# Altium PCB Shuttler_AMC.PcbDoc (part 1 of 12) (continued)
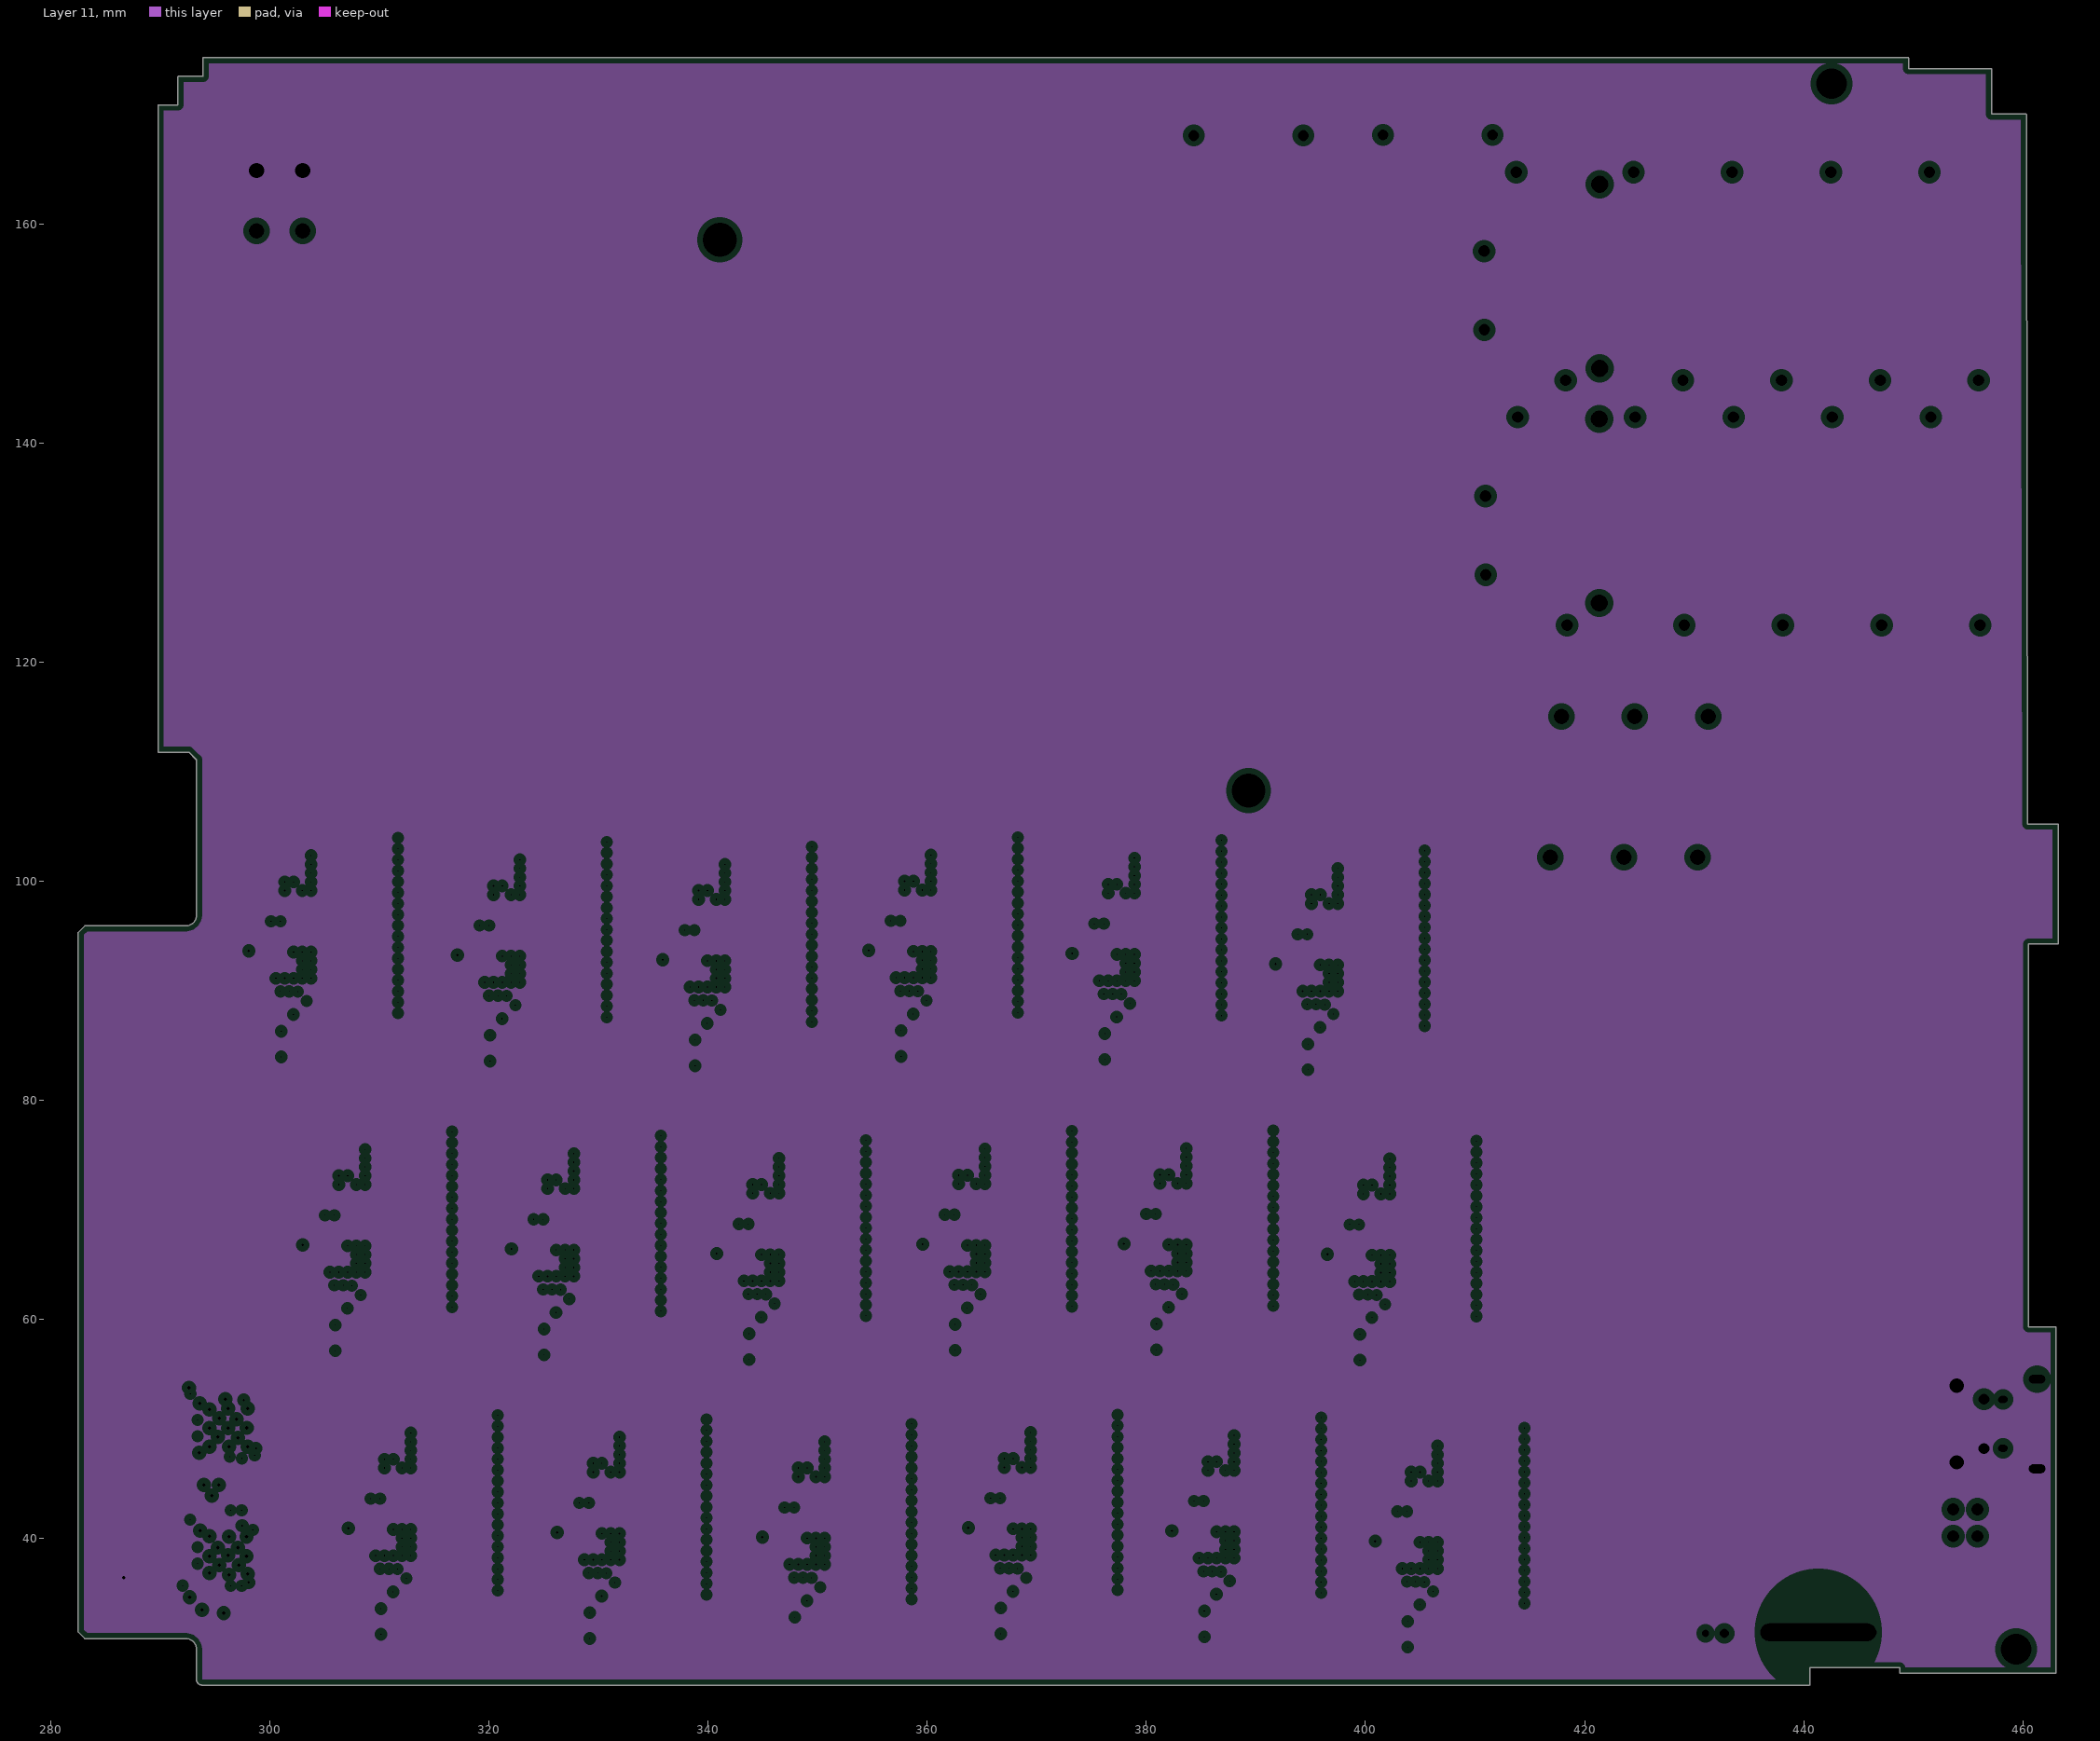
[diagram p7: Layer 11, clearances drawn from the general rule]

## Layer stack, top to bottom
Top Solder: solder mask 0.01, Soder_Mask, Dk 4.4
Layer 1: signal copper 0.04
Dielectric 1: core 0.13, Core/Pre-preg, Dk 3.7
Layer 2: plane copper 0.018
Dielectric2: core 0.1, Core/Pre-preg, Dk 3.7
Layer 3: signal copper 0.018
Dielectric3: core 0.13, Core/Pre-preg, Dk 3.7
Layer 4: plane copper 0.018
Dielectric4: core 0.1, Core/Pre-preg, Dk 3.7
Layer 5: signal copper 0.018
Dielectric5: core 0.13, Core/Pre-preg, Dk 3.7
Layer 6: plane copper 0.018
Dielectric6: core 0.1, Core/Pre-preg, Dk 3.7
Layer 7: plane copper 0.018
Dielectric7: core 0.13, Core/Pre-preg, Dk 3.7
Layer 8: signal copper 0.018
Dielectric8: core 0.1, Core/Pre-preg, Dk 3.7
Layer 9: plane copper 0.018
Dielectric9: dielectric 0.32, FR-4, Dk 4.8
Layer 10: signal copper 0.018
Dielectric10: dielectric 0.32, FR-4, Dk 4.8
Layer 11: plane copper 0.018
Dielectric11: dielectric 0.32, FR-4, Dk 4.8
Layer 12: signal copper 0.04
Bottom Solder: solder mask 0.0102, Solder Resist, Dk 3.5

## Board outline
282.51,31.508 282.51,95.308 282.518,95.326 283.118,95.926 283.135,95.933 292.335,95.933 292.336,95.933 ccw(c292.335,96.908) 293.31,96.908 293.31,99.658 293.31,111.098 292.625,111.783 289.835,111.783 289.81,111.808 289.81,170.847 289.835,170.872 291.62,170.872 291.62,173.447 291.645,173.472 293.909,173.472 293.91,173.473 293.91,175.158 293.935,175.183 449.535,175.183 449.56,175.158 449.56,174.183 457.113,174.184 457.138,174.159 457.131,170.03 460.3,170.027 460.325,170.002 460.325,166.502 460.425,105.227 463.2,105.227 463.225,105.202 463.225,94.302 463.2,94.277 460.525,94.277 460.525,59.327 463,59.327 463.025,59.302 463.025,27.752 463,27.727 448.775,27.733 448.75,27.758 448.75,28.233 440.56,28.233 440.56,26.658 440.535,26.633 293.835,26.633 cw(c293.835,27.158) 293.31,27.158 293.31,29.908 293.31,29.909 ccw(c292.335,29.908) 292.335,30.883 283.135,30.883 283.118,30.891 282.518,31.491

## Design rules (kind name [scope] priority, off if disabled: settings)
Clearance [All] p1: gap=0.254 ignorepadtopadclearanceinfootprint=FALSE except(0: Arc-Hole Track-Hole SMDPad-Hole THPad-Hole Via-Hole Fill-Hole Poly-Hole Region-Hole Text-Hole)
DiffPairsRouting [All] p1: maxlimit=0.254 minlimit=0.254 mostfreqgap=0.254 toplayer_minwidth=0.381 toplayer_maxwidth=0.381 toplayer_prefwidth=0.381 midlayer1_minwidth=0.381 midlayer1_maxwidth=0.381 midlayer1_prefwidth=0.381 midlayer2_minwidth=0.381 midlayer2_maxwidth=0.381 midlayer2_prefwidth=0.381 midlayer3_minwidth=0.381 midlayer3_maxwidth=0.381 midlayer3_prefwidth=0.381 midlayer4_minwidth=0.381 midlayer4_maxwidth=0.381 midlayer4_prefwidth=0.381 bottomlayer_minwidth=0.381 bottomlayer_maxwidth=0.381 bottomlayer_prefwidth=0.381 maxuncoupledlength=12.7
PlaneClearance [All] p1: clearance=0.508
PlaneConnect [All] p1: planeconnectstyle=Relief reliefexpansion=0.508 reliefentries=4 reliefconductorwidth=0.254 reliefairgap=0.254
PolygonConnect [All] p1: connectstyle=Relief reliefconductorwidth=0.254 reliefentries=4 polygonreliefangle="90 Angle" airgapwidth=0.254
RoomDefinition USB_SERIAL_QUAD [InComponentClass('USB_SERIAL_QUAD')] p1: confinementstyle=ConfineIn formatcopy=TRUE lockcomponents=FALSE outline 464.312,437.134 528.701,437.134 528.701,449.453 464.312,449.453
RoomDefinition U_DAC_LTC200018 [InComponentClass('U_DAC_LTC200018')] p2: confinementstyle=ConfineIn formatcopy=TRUE lockcomponents=FALSE outline 1264.285,1261.237 1297.178,1261.237 1297.178,1278.763 1264.285,1278.763
RoomDefinition U_DAC_LTC200017 [InComponentClass('U_DAC_LTC200017')] p3: confinementstyle=ConfineIn formatcopy=TRUE lockcomponents=FALSE outline 1264.285,1261.237 1297.178,1261.237 1297.178,1278.763 1264.285,1278.763
RoomDefinition U_DAC_LTC200016 [InComponentClass('U_DAC_LTC200016')] p4: confinementstyle=ConfineIn formatcopy=TRUE lockcomponents=FALSE outline 1264.285,1261.237 1297.178,1261.237 1297.178,1278.763 1264.285,1278.763
RoomDefinition U_DAC_LTC200015 [InComponentClass('U_DAC_LTC200015')] p5: confinementstyle=ConfineIn formatcopy=TRUE lockcomponents=FALSE outline 1264.285,1261.237 1297.178,1261.237 1297.178,1278.763 1264.285,1278.763
RoomDefinition U_DAC_LTC200014 [InComponentClass('U_DAC_LTC200014')] p6: confinementstyle=ConfineIn formatcopy=TRUE lockcomponents=FALSE outline 1264.285,1261.237 1297.178,1261.237 1297.178,1278.763 1264.285,1278.763
RoomDefinition U_DAC_LTC200013 [InComponentClass('U_DAC_LTC200013')] p7: confinementstyle=ConfineIn formatcopy=TRUE lockcomponents=FALSE outline 1264.285,1261.237 1297.178,1261.237 1297.178,1278.763 1264.285,1278.763
RoomDefinition U_DAC_LTC200012 [InComponentClass('U_DAC_LTC200012')] p8: confinementstyle=ConfineIn formatcopy=TRUE lockcomponents=FALSE outline 1264.285,1261.237 1297.178,1261.237 1297.178,1278.763 1264.285,1278.763
RoomDefinition U_DAC_LTC200011 [InComponentClass('U_DAC_LTC200011')] p9: confinementstyle=ConfineIn formatcopy=TRUE lockcomponents=FALSE outline 1264.285,1261.237 1296.67,1261.237 1296.67,1278.763 1264.285,1278.763
RoomDefinition U_DAC_LTC200010 [InComponentClass('U_DAC_LTC200010')] p10: confinementstyle=ConfineIn formatcopy=TRUE lockcomponents=FALSE outline 1264.285,1261.237 1297.178,1261.237 1297.178,1278.763 1264.285,1278.763
RoomDefinition U_DAC_LTC20009 [InComponentClass('U_DAC_LTC20009')] p11: confinementstyle=ConfineIn formatcopy=TRUE lockcomponents=FALSE outline 1264.285,1261.237 1295.908,1261.237 1295.908,1278.763 1264.285,1278.763
RoomDefinition U_DAC_LTC20008 [InComponentClass('U_DAC_LTC20008')] p12: confinementstyle=ConfineIn formatcopy=TRUE lockcomponents=FALSE outline 1264.285,1261.237 1295.908,1261.237 1295.908,1278.763 1264.285,1278.763
RoomDefinition U_DAC_LTC20007 [InComponentClass('U_DAC_LTC20007')] p13: confinementstyle=ConfineIn formatcopy=TRUE lockcomponents=FALSE outline 1264.285,1261.237 1295.908,1261.237 1295.908,1278.763 1264.285,1278.763
RoomDefinition U_DAC_LTC20006 [InComponentClass('U_DAC_LTC20006')] p14: confinementstyle=ConfineIn formatcopy=TRUE lockcomponents=FALSE outline 464.312,474.599 520.319,474.599 520.319,488.823 464.312,488.823
RoomDefinition U_DAC_LTC20005 [InComponentClass('U_DAC_LTC20005')] p15: confinementstyle=ConfineIn formatcopy=TRUE lockcomponents=FALSE outline 1264.285,1261.237 1295.908,1261.237 1295.908,1278.763 1264.285,1278.763
RoomDefinition U_DAC_LTC20004 [InComponentClass('U_DAC_LTC20004')] p16: confinementstyle=ConfineIn formatcopy=TRUE lockcomponents=FALSE outline 1264.285,1261.237 1295.908,1261.237 1295.908,1278.763 1264.285,1278.763
RoomDefinition U_DAC_LTC20003 [InComponentClass('U_DAC_LTC20003')] p17: confinementstyle=ConfineIn formatcopy=TRUE lockcomponents=FALSE outline 1264.285,1261.237 1295.908,1261.237 1295.908,1278.763 1264.285,1278.763
RoomDefinition U_DAC_LTC20002 [InComponentClass('U_DAC_LTC20002')] p18: confinementstyle=ConfineIn formatcopy=TRUE lockcomponents=FALSE outline 1264.285,1261.237 1295.908,1261.237 1295.908,1278.763 1264.285,1278.763
RoomDefinition U_DAC_LTC20001 [InComponentClass('U_DAC_LTC20001')] p19: confinementstyle=ConfineIn formatcopy=TRUE lockcomponents=FALSE outline 1264.285,1261.237 1295.4,1261.237 1295.4,1278.763 1264.285,1278.763
RoomDefinition Thermometers [InComponentClass('Thermometers')] p20: confinementstyle=ConfineIn formatcopy=TRUE lockcomponents=FALSE outline 464.312,425.196 504.571,425.196 504.571,435.991 464.312,435.991
RoomDefinition Shuttler_AMC [InComponentClass('Shuttler_AMC')] p21: confinementstyle=ConfineIn formatcopy=TRUE lockcomponents=FALSE outline 464.312,356.87 505.079,356.87 505.079,423.926 464.312,423.926
RoomDefinition QSFP2 [InComponentClass('QSFP2')] p22: confinementstyle=ConfineIn formatcopy=TRUE lockcomponents=FALSE outline 464.312,450.723 540.385,450.723 540.385,473.329 464.312,473.329
RoomDefinition QSFP1 [InComponentClass('QSFP1')] p23: confinementstyle=ConfineIn formatcopy=TRUE lockcomponents=FALSE outline 1260.221,1260.094 1283.208,1260.094 1283.208,1279.906 1260.221,1279.906
RoomDefinition PWR_P3V0_N3V0 [InComponentClass('PWR_P3V0_N3V0')] p24: confinementstyle=ConfineIn formatcopy=TRUE lockcomponents=FALSE outline 464.439,326.517 509.778,326.517 509.778,335.407 464.439,335.407
RoomDefinition PWR_DC_DC_EXAR [InComponentClass('PWR_DC_DC_EXAR')] p25: confinementstyle=ConfineIn formatcopy=TRUE lockcomponents=FALSE outline 464.439,313.944 604.901,313.944 604.901,325.374 464.439,325.374
RoomDefinition PWR_Buck_P2V5_8A [InComponentClass('PWR_Buck_P2V5_8A')] p26: confinementstyle=ConfineIn formatcopy=TRUE lockcomponents=FALSE outline 464.312,301.244 480.949,301.244 480.949,312.674 464.312,312.674
RoomDefinition PWR_Buck_4V_20A [InComponentClass('PWR_Buck_4V_20A')] p27: confinementstyle=ConfineIn formatcopy=TRUE lockcomponents=FALSE outline 464.312,290.068 480.695,290.068 480.695,299.974 464.312,299.974
RoomDefinition PWR_0V9_20A [InComponentClass('PWR_0V9_20A')] p28: confinementstyle=ConfineIn formatcopy=TRUE lockcomponents=FALSE outline 464.312,272.288 486.791,272.288 486.791,288.798 464.312,288.798
RoomDefinition POWER_Management [InComponentClass('POWER_Management')] p29: confinementstyle=ConfineIn formatcopy=TRUE lockcomponents=FALSE outline 464.312,256.794 496.57,256.794 496.57,271.145 464.312,271.145
RoomDefinition M-LVDS_PHY [InComponentClass('M-LVDS_PHY')] p30: confinementstyle=ConfineIn formatcopy=TRUE lockcomponents=FALSE outline 464.439,244.221 502.031,244.221 502.031,255.524 464.439,255.524
RoomDefinition JTAG_Configuration [InComponentClass('JTAG_Configuration')] p31: confinementstyle=ConfineIn formatcopy=TRUE lockcomponents=FALSE outline 464.312,223.012 496.316,223.012 496.316,243.078 464.312,243.078
RoomDefinition I2C_MUX [InComponentClass('I2C_MUX')] p32: confinementstyle=ConfineIn formatcopy=TRUE lockcomponents=FALSE outline 464.439,213.36 477.901,213.36 477.901,221.742 464.439,221.742
RoomDefinition FPGA_Power [InComponentClass('FPGA_Power')] p33: confinementstyle=ConfineIn formatcopy=TRUE lockcomponents=FALSE outline 464.312,207.391 469.011,207.391 469.011,212.217 464.312,212.217
RoomDefinition FPGA_Decoupling [InComponentClass('FPGA_Decoupling')] p34: confinementstyle=ConfineIn formatcopy=TRUE lockcomponents=FALSE outline 0,0 50.8,0 50.8,25.4 0,25.4
RoomDefinition FPGA_Banks_64_65_HR [InComponentClass('FPGA_Banks_64_65_HR')] p35: confinementstyle=ConfineIn formatcopy=TRUE lockcomponents=FALSE outline 0,0 50.8,0 50.8,25.4 0,25.4
RoomDefinition ETH_PHY_RMII [InComponentClass('ETH_PHY_RMII')] p36: confinementstyle=ConfineIn formatcopy=TRUE lockcomponents=FALSE outline 464.439,106.299 517.779,106.299 517.779,126.365 464.439,126.365
RoomDefinition DACs [InComponentClass('DACs')] p37: confinementstyle=ConfineIn formatcopy=TRUE lockcomponents=FALSE outline 464.312,96.012 528.066,96.012 528.066,105.029 464.312,105.029
RoomDefinition DAC_supply [InComponentClass('DAC_supply')] p38: confinementstyle=ConfineIn formatcopy=TRUE lockcomponents=FALSE outline 464.439,85.344 520.319,85.344 520.319,94.742 464.439,94.742
RoomDefinition CPU_LPC1776 [InComponentClass('CPU_LPC1776')] p39: confinementstyle=ConfineIn formatcopy=TRUE lockcomponents=FALSE outline 464.312,66.929 505.714,66.929 505.714,84.074 464.312,84.074
RoomDefinition Clock_Distribution_PLL [InComponentClass('Clock_Distribution_PLL')] p40: confinementstyle=ConfineIn formatcopy=TRUE lockcomponents=FALSE outline 464.312,47.625 548.64,47.625 548.64,65.786 464.312,65.786
RoomDefinition clk_supply [InComponentClass('clk_supply')] p41: confinementstyle=ConfineIn formatcopy=TRUE lockcomponents=FALSE outline 464.312,39.878 520.065,39.878 520.065,46.482 464.312,46.482
RoomDefinition Clk_recovery [InComponentClass('Clk_recovery')] p42: confinementstyle=ConfineIn formatcopy=TRUE lockcomponents=FALSE outline 464.312,28.194 574.421,28.194 574.421,38.608 464.312,38.608
RoomDefinition Amplifier18 [InComponentClass('Amplifier18')] p43: confinementstyle=ConfineIn formatcopy=TRUE lockcomponents=FALSE outline 1267.079,1267.587 1291.59,1267.587 1291.59,1274.826 1267.079,1274.826
RoomDefinition Amplifier17 [InComponentClass('Amplifier17')] p44: confinementstyle=ConfineIn formatcopy=TRUE lockcomponents=FALSE outline 1267.079,1267.587 1291.59,1267.587 1291.59,1274.826 1267.079,1274.826
RoomDefinition Amplifier16 [InComponentClass('Amplifier16')] p45: confinementstyle=ConfineIn formatcopy=TRUE lockcomponents=FALSE outline 1267.079,1267.587 1291.59,1267.587 1291.59,1274.826 1267.079,1274.826
RoomDefinition Amplifier15 [InComponentClass('Amplifier15')] p46: confinementstyle=ConfineIn formatcopy=TRUE lockcomponents=FALSE outline 1267.079,1267.587 1291.59,1267.587 1291.59,1274.826 1267.079,1274.826
RoomDefinition Amplifier14 [InComponentClass('Amplifier14')] p47: confinementstyle=ConfineIn formatcopy=TRUE lockcomponents=FALSE outline 464.312,489.966 533.273,489.966 533.273,498.348 464.312,498.348
RoomDefinition Amplifier13 [InComponentClass('Amplifier13')] p48: confinementstyle=ConfineIn formatcopy=TRUE lockcomponents=FALSE outline 1267.079,1267.587 1291.59,1267.587 1291.59,1274.826 1267.079,1274.826
RoomDefinition Amplifier12 [InComponentClass('Amplifier12')] p49: confinementstyle=ConfineIn formatcopy=TRUE lockcomponents=FALSE outline 1267.079,1267.587 1291.59,1267.587 1291.59,1274.826 1267.079,1274.826
RoomDefinition Amplifier11 [InComponentClass('Amplifier11')] p50: confinementstyle=ConfineIn formatcopy=TRUE lockcomponents=FALSE outline 1267.079,1267.587 1291.082,1267.587 1291.082,1274.826 1267.079,1274.826
RoomDefinition Amplifier10 [InComponentClass('Amplifier10')] p51: confinementstyle=ConfineIn formatcopy=TRUE lockcomponents=FALSE outline 1267.079,1267.587 1291.59,1267.587 1291.59,1274.826 1267.079,1274.826
RoomDefinition Amplifier9 [InComponentClass('Amplifier9')] p52: confinementstyle=ConfineIn formatcopy=TRUE lockcomponents=FALSE outline 1267.079,1267.587 1290.32,1267.587 1290.32,1274.826 1267.079,1274.826
RoomDefinition Amplifier8 [InComponentClass('Amplifier8')] p53: confinementstyle=ConfineIn formatcopy=TRUE lockcomponents=FALSE outline 1267.079,1267.587 1290.32,1267.587 1290.32,1274.826 1267.079,1274.826
RoomDefinition Amplifier7 [InComponentClass('Amplifier7')] p54: confinementstyle=ConfineIn formatcopy=TRUE lockcomponents=FALSE outline 1267.079,1267.587 1290.32,1267.587 1290.32,1274.826 1267.079,1274.826
RoomDefinition Amplifier6 [InComponentClass('Amplifier6')] p55: confinementstyle=ConfineIn formatcopy=TRUE lockcomponents=FALSE outline 1267.079,1267.587 1290.32,1267.587 1290.32,1274.826 1267.079,1274.826
RoomDefinition Amplifier5 [InComponentClass('Amplifier5')] p56: confinementstyle=ConfineIn formatcopy=TRUE lockcomponents=FALSE outline 1267.079,1267.587 1290.32,1267.587 1290.32,1274.826 1267.079,1274.826
RoomDefinition Amplifier4 [InComponentClass('Amplifier4')] p57: confinementstyle=ConfineIn formatcopy=TRUE lockcomponents=FALSE outline 1267.079,1267.587 1290.32,1267.587 1290.32,1274.826 1267.079,1274.826
RoomDefinition Amplifier3 [InComponentClass('Amplifier3')] p58: confinementstyle=ConfineIn formatcopy=TRUE lockcomponents=FALSE outline 1267.079,1267.587 1290.32,1267.587 1290.32,1274.826 1267.079,1274.826
RoomDefinition Amplifier2 [InComponentClass('Amplifier2')] p59: confinementstyle=ConfineIn formatcopy=TRUE lockcomponents=FALSE outline 1267.079,1267.587 1290.32,1267.587 1290.32,1274.826 1267.079,1274.826
RoomDefinition Amplifier1 [InComponentClass('Amplifier1')] p60: confinementstyle=ConfineIn formatcopy=TRUE lockcomponents=FALSE outline 1267.079,1267.587 1289.812,1267.587 1289.812,1274.826 1267.079,1274.826
RoomDefinition AMC_Connector [InComponentClass('AMC_Connector')] p61: confinementstyle=ConfineIn formatcopy=TRUE lockcomponents=FALSE outline 0,0 50.8,0 50.8,25.4 0,25.4
RoomDefinition FPGA_Banks_GTH [InComponentClass('FPGA_Banks_GTH')] p62: confinementstyle=ConfineOut formatcopy=TRUE lockcomponents=FALSE outline 420.649,73.213 ccw(c420.599,73.213) 420.549,73.213 420.549,72.403 ccw(c420.599,72.403) 420.649,72.403
RoomDefinition FPGA_Bank_0_CFG [InComponentClass('FPGA_Bank_0_CFG')] p63: confinementstyle=ConfineOut formatcopy=TRUE lockcomponents=FALSE outline 421.759,72.353 ccw(c421.759,72.403) 421.759,72.453 420.599,72.453 ccw(c420.599,72.403) 420.599,72.353
RoomDefinition FPGA_Banks_44_45_46_DDR64 [InComponentClass('FPGA_Banks_44_45_46_DDR64')] p64: confinementstyle=ConfineOut formatcopy=TRUE lockcomponents=FALSE outline 427.319,72.213 ccw(c427.319,72.263) 427.319,72.313 421.759,72.313 ccw(c421.759,72.263) 421.759,72.213
RoomDefinition SDRAM_DDR3_4x16 [InComponentClass('SDRAM_DDR3_4x16')] p65: confinementstyle=ConfineOut formatcopy=TRUE lockcomponents=FALSE outline 421.749,80.537 ccw(c421.749,80.587) 421.749,80.637 420.589,80.637 ccw(c420.589,80.587) 420.589,80.537
RoutingVias [All] p1: holewidth=0.711 width=1.27 viastyle="Through Hole" minholewidth=0.711 minwidth=1.27 maxholewidth=0.711 maxwidth=1.27
SolderMaskExpansion [All] p1: expansion=0.102
Width [All] p1: maxlimit=1 minlimit=0.254 preferedwidth=0.254 toplayer_minwidth=0 midlayer1_maxwidth=0.254 midlayer2_maxwidth=0.254 midlayer3_maxwidth=0.254 midlayer4_maxwidth=0.254 bottomlayer_maxwidth=0.254 minimp=50.000000 maximp=50.000000 favimp=50.000000
27 further rules are at their usual default settings.

## Classes and differential pairs
differential pair class V_analog: AOUT0 AOUT1 AOUT2 AOUT3 AOUT4 AOUT5 AOUT6 AOUT7 AOUT8 AOUT9 AOUT10 AOUT11 AOUT12 AOUT13 AOUT14 AOUT15 AOUT16 AOUT17
differential pair class LVPECL: CDR_CLK_CLEAN1.CLK CDR_CLK_CLEAN2.CLK CDR_CLK_CLEAN3 CLEAN1 CLEAN2 CLEAN3 CLK_200MHz CLK_IN_FPGA CLK_RFU DACs_0 DACs_1 OUT
differential pair class LVDS: DAC_CLK_IN.CLK0 DAC_CLK_IN.CLK1 DAC_CLK_IN.CLK2 DAC_CLK_IN.CLK3 DAC_CLK_IN.CLK4 DAC_CLK_IN.CLK5 DAC_CLK_IN.CLK6 DAC_CLK_IN.CLK7 DAC_CLK_IN.CLK8 DAC_CLK_IN.CLK9 DAC_CLK_IN.CLK10 DAC_CLK_IN.CLK11 DAC_CLK_IN.CLK12 DAC_CLK_IN.CLK13 DAC_CLK_IN.CLK14 DAC_CLK_IN.CLK15 DAC_CLK_IN.CLK16 DAC_CLK_IN.CLK17
differential pair class I_analog: IOUT_U_DAC_LTC20001 IOUT_U_DAC_LTC20002 IOUT_U_DAC_LTC20003 IOUT_U_DAC_LTC20004 IOUT_U_DAC_LTC20005 IOUT_U_DAC_LTC20006 IOUT_U_DAC_LTC20007 IOUT_U_DAC_LTC20008 IOUT_U_DAC_LTC20009 IOUT_U_DAC_LTC200010 IOUT_U_DAC_LTC200011 IOUT_U_DAC_LTC200012 IOUT_U_DAC_LTC200013 IOUT_U_DAC_LTC200014 IOUT_U_DAC_LTC200015 IOUT_U_DAC_LTC200016 IOUT_U_DAC_LTC200017 IOUT_U_DAC_LTC200018
differential pair class Diff_100Ohm: ALT_PORT0.Rx0 ALT_PORT0.Tx0 AMC_FABRIC_CLOCK.FCLKA AMC_P2P.Rx12 AMC_P2P.Rx13 AMC_P2P.Rx14 AMC_P2P.Rx15 AMC_P2P.Tx12 AMC_P2P.Tx13 AMC_P2P.Tx14 AMC_P2P.Tx15 AMC_TELECOM_CLOCK.TCLKA AMC_TELECOM_CLOCK.TCLKB AMC_TELECOM_CLOCK.TCLKC AMC_TELECOM_CLOCK.TCLKD AUX_CLOCK_2 AUX_CLOCK_C2 CK_U_DAC_LTC20001 CK_U_DAC_LTC20002 CK_U_DAC_LTC20003 CK_U_DAC_LTC20004 CK_U_DAC_LTC20005 CK_U_DAC_LTC20006 CK_U_DAC_LTC20007 CK_U_DAC_LTC20008 CK_U_DAC_LTC20009 CK_U_DAC_LTC200010 CK_U_DAC_LTC200011 CK_U_DAC_LTC200012 CK_U_DAC_LTC200013 CK_U_DAC_LTC200014 CK_U_DAC_LTC200015 CK_U_DAC_LTC200016 CK_U_DAC_LTC200017 CK_U_DAC_LTC200018 CKOUT1 CKOUT1_B DAC_CLK_IN.CLK0 DAC_CLK_IN.CLK1 DAC_CLK_IN.CLK2 DAC_CLK_IN.CLK3 DAC_CLK_IN.CLK4 DAC_CLK_IN.CLK5 DAC_CLK_IN.CLK6 DAC_CLK_IN.CLK7 DAC_CLK_IN.CLK8 DAC_CLK_IN.CLK9 DAC_CLK_IN.CLK10 DAC_CLK_IN.CLK11 DAC_CLK_IN.CLK12 DAC_CLK_IN.CLK13 DAC_CLK_IN.CLK14 DAC_CLK_IN.CLK15 DAC_CLK_IN.CLK16 DAC_CLK_IN.CLK17 EXT_REF_IN FAT_PIPE1.Rx4 FAT_PIPE1.Rx5 FAT_PIPE1.Rx6 FAT_PIPE1.Rx7 FAT_PIPE1.Tx4 FAT_PIPE1.Tx5 FAT_PIPE1.Tx6 FAT_PIPE1.Tx7 FCLKAC GTP0RXC GTP1RXC GTP2RXC Helper_DCXO Main_DCXO PORT0.Rx0 PORT0.Tx0 QSFP0.RX0 QSFP0.RX1 QSFP0.RX2 QSFP0.RX3 QSFP0.TX0 QSFP0.TX1 QSFP0.TX2 QSFP0.TX3 QSFP1.RX0 QSFP1.RX1 QSFP1.RX2 QSFP1.RX3 QSFP1.TX0 QSFP1.TX1 QSFP1.TX2 QSFP1.TX3 REC_CLOCK REFCLK227_C RF RFC RX0C Rx1 Rx2 Rx3 Rx8 Rx9 Rx10 Rx11 TCLKA TCLKB TX0 TX0C Tx1 Tx2 Tx3 Tx8 Tx9 Tx10 Tx11
differential pair class Diff_90Ohm: USB_D_R
channel class QSFP: QSFP1 QSFP2
channel class DAC_LTC2000: U_DAC_LTC20001 U_DAC_LTC20002 U_DAC_LTC20003 U_DAC_LTC20004 U_DAC_LTC20005 U_DAC_LTC20006 U_DAC_LTC20007 U_DAC_LTC20008 U_DAC_LTC20009 U_DAC_LTC200010 U_DAC_LTC200011 U_DAC_LTC200012 U_DAC_LTC200013 U_DAC_LTC200014 U_DAC_LTC200015 U_DAC_LTC200016 U_DAC_LTC200017 U_DAC_LTC200018
channel class Amplifier: Amplifier1 Amplifier2 Amplifier3 Amplifier4 Amplifier5 Amplifier6 Amplifier7 Amplifier8 Amplifier9 Amplifier10 Amplifier11 Amplifier12 Amplifier13 Amplifier14 Amplifier15 Amplifier16 Amplifier17 Amplifier18
net class SDRAM_DDR3_x64.DDR3_64_DQ[0..63]: SDRAM_DDR3_x64.DDR3_64_DQ0 SDRAM_DDR3_x64.DDR3_64_DQ1 SDRAM_DDR3_x64.DDR3_64_DQ2 SDRAM_DDR3_x64.DDR3_64_DQ3 SDRAM_DDR3_x64.DDR3_64_DQ4 SDRAM_DDR3_x64.DDR3_64_DQ5 SDRAM_DDR3_x64.DDR3_64_DQ6 SDRAM_DDR3_x64.DDR3_64_DQ7 SDRAM_DDR3_x64.DDR3_64_DQ8 SDRAM_DDR3_x64.DDR3_64_DQ9 SDRAM_DDR3_x64.DDR3_64_DQ10 SDRAM_DDR3_x64.DDR3_64_DQ11 SDRAM_DDR3_x64.DDR3_64_DQ12 SDRAM_DDR3_x64.DDR3_64_DQ13 SDRAM_DDR3_x64.DDR3_64_DQ14 SDRAM_DDR3_x64.DDR3_64_DQ15 SDRAM_DDR3_x64.DDR3_64_DQ16 SDRAM_DDR3_x64.DDR3_64_DQ17 SDRAM_DDR3_x64.DDR3_64_DQ18 SDRAM_DDR3_x64.DDR3_64_DQ19 SDRAM_DDR3_x64.DDR3_64_DQ20 SDRAM_DDR3_x64.DDR3_64_DQ21 SDRAM_DDR3_x64.DDR3_64_DQ22 SDRAM_DDR3_x64.DDR3_64_DQ23 SDRAM_DDR3_x64.DDR3_64_DQ24 SDRAM_DDR3_x64.DDR3_64_DQ25 SDRAM_DDR3_x64.DDR3_64_DQ26 SDRAM_DDR3_x64.DDR3_64_DQ27 SDRAM_DDR3_x64.DDR3_64_DQ28 SDRAM_DDR3_x64.DDR3_64_DQ29 SDRAM_DDR3_x64.DDR3_64_DQ30 SDRAM_DDR3_x64.DDR3_64_DQ31 SDRAM_DDR3_x64.DDR3_64_DQ32 SDRAM_DDR3_x64.DDR3_64_DQ33 SDRAM_DDR3_x64.DDR3_64_DQ34 SDRAM_DDR3_x64.DDR3_64_DQ35 SDRAM_DDR3_x64.DDR3_64_DQ36 SDRAM_DDR3_x64.DDR3_64_DQ37 SDRAM_DDR3_x64.DDR3_64_DQ38 SDRAM_DDR3_x64.DDR3_64_DQ39 SDRAM_DDR3_x64.DDR3_64_DQ40 SDRAM_DDR3_x64.DDR3_64_DQ41 SDRAM_DDR3_x64.DDR3_64_DQ42 SDRAM_DDR3_x64.DDR3_64_DQ43 SDRAM_DDR3_x64.DDR3_64_DQ44 SDRAM_DDR3_x64.DDR3_64_DQ45 SDRAM_DDR3_x64.DDR3_64_DQ46 SDRAM_DDR3_x64.DDR3_64_DQ47 SDRAM_DDR3_x64.DDR3_64_DQ48 SDRAM_DDR3_x64.DDR3_64_DQ49 SDRAM_DDR3_x64.DDR3_64_DQ50 SDRAM_DDR3_x64.DDR3_64_DQ51 SDRAM_DDR3_x64.DDR3_64_DQ52 SDRAM_DDR3_x64.DDR3_64_DQ53 SDRAM_DDR3_x64.DDR3_64_DQ54 SDRAM_DDR3_x64.DDR3_64_DQ55 SDRAM_DDR3_x64.DDR3_64_DQ56 SDRAM_DDR3_x64.DDR3_64_DQ57 SDRAM_DDR3_x64.DDR3_64_DQ58 SDRAM_DDR3_x64.DDR3_64_DQ59 SDRAM_DDR3_x64.DDR3_64_DQ60 SDRAM_DDR3_x64.DDR3_64_DQ61 SDRAM_DDR3_x64.DDR3_64_DQ62 SDRAM_DDR3_x64.DDR3_64_DQ63